# Altium PCB OneBox.PcbDoc (part 8 of 13)
Units mm, origin at the board's own origin, x right, y up, seen from the top; angles counter-clockwise.
Board outline 101 x 69 mm, 6 copper layers (L1_Sig, L2_Gnd, L3_Pow, L4_Sig, L5_Gnd, L6_Sig), stack 1.538 mm thick; 766 components, 563 nets, 3133 pads, 2914 vias.
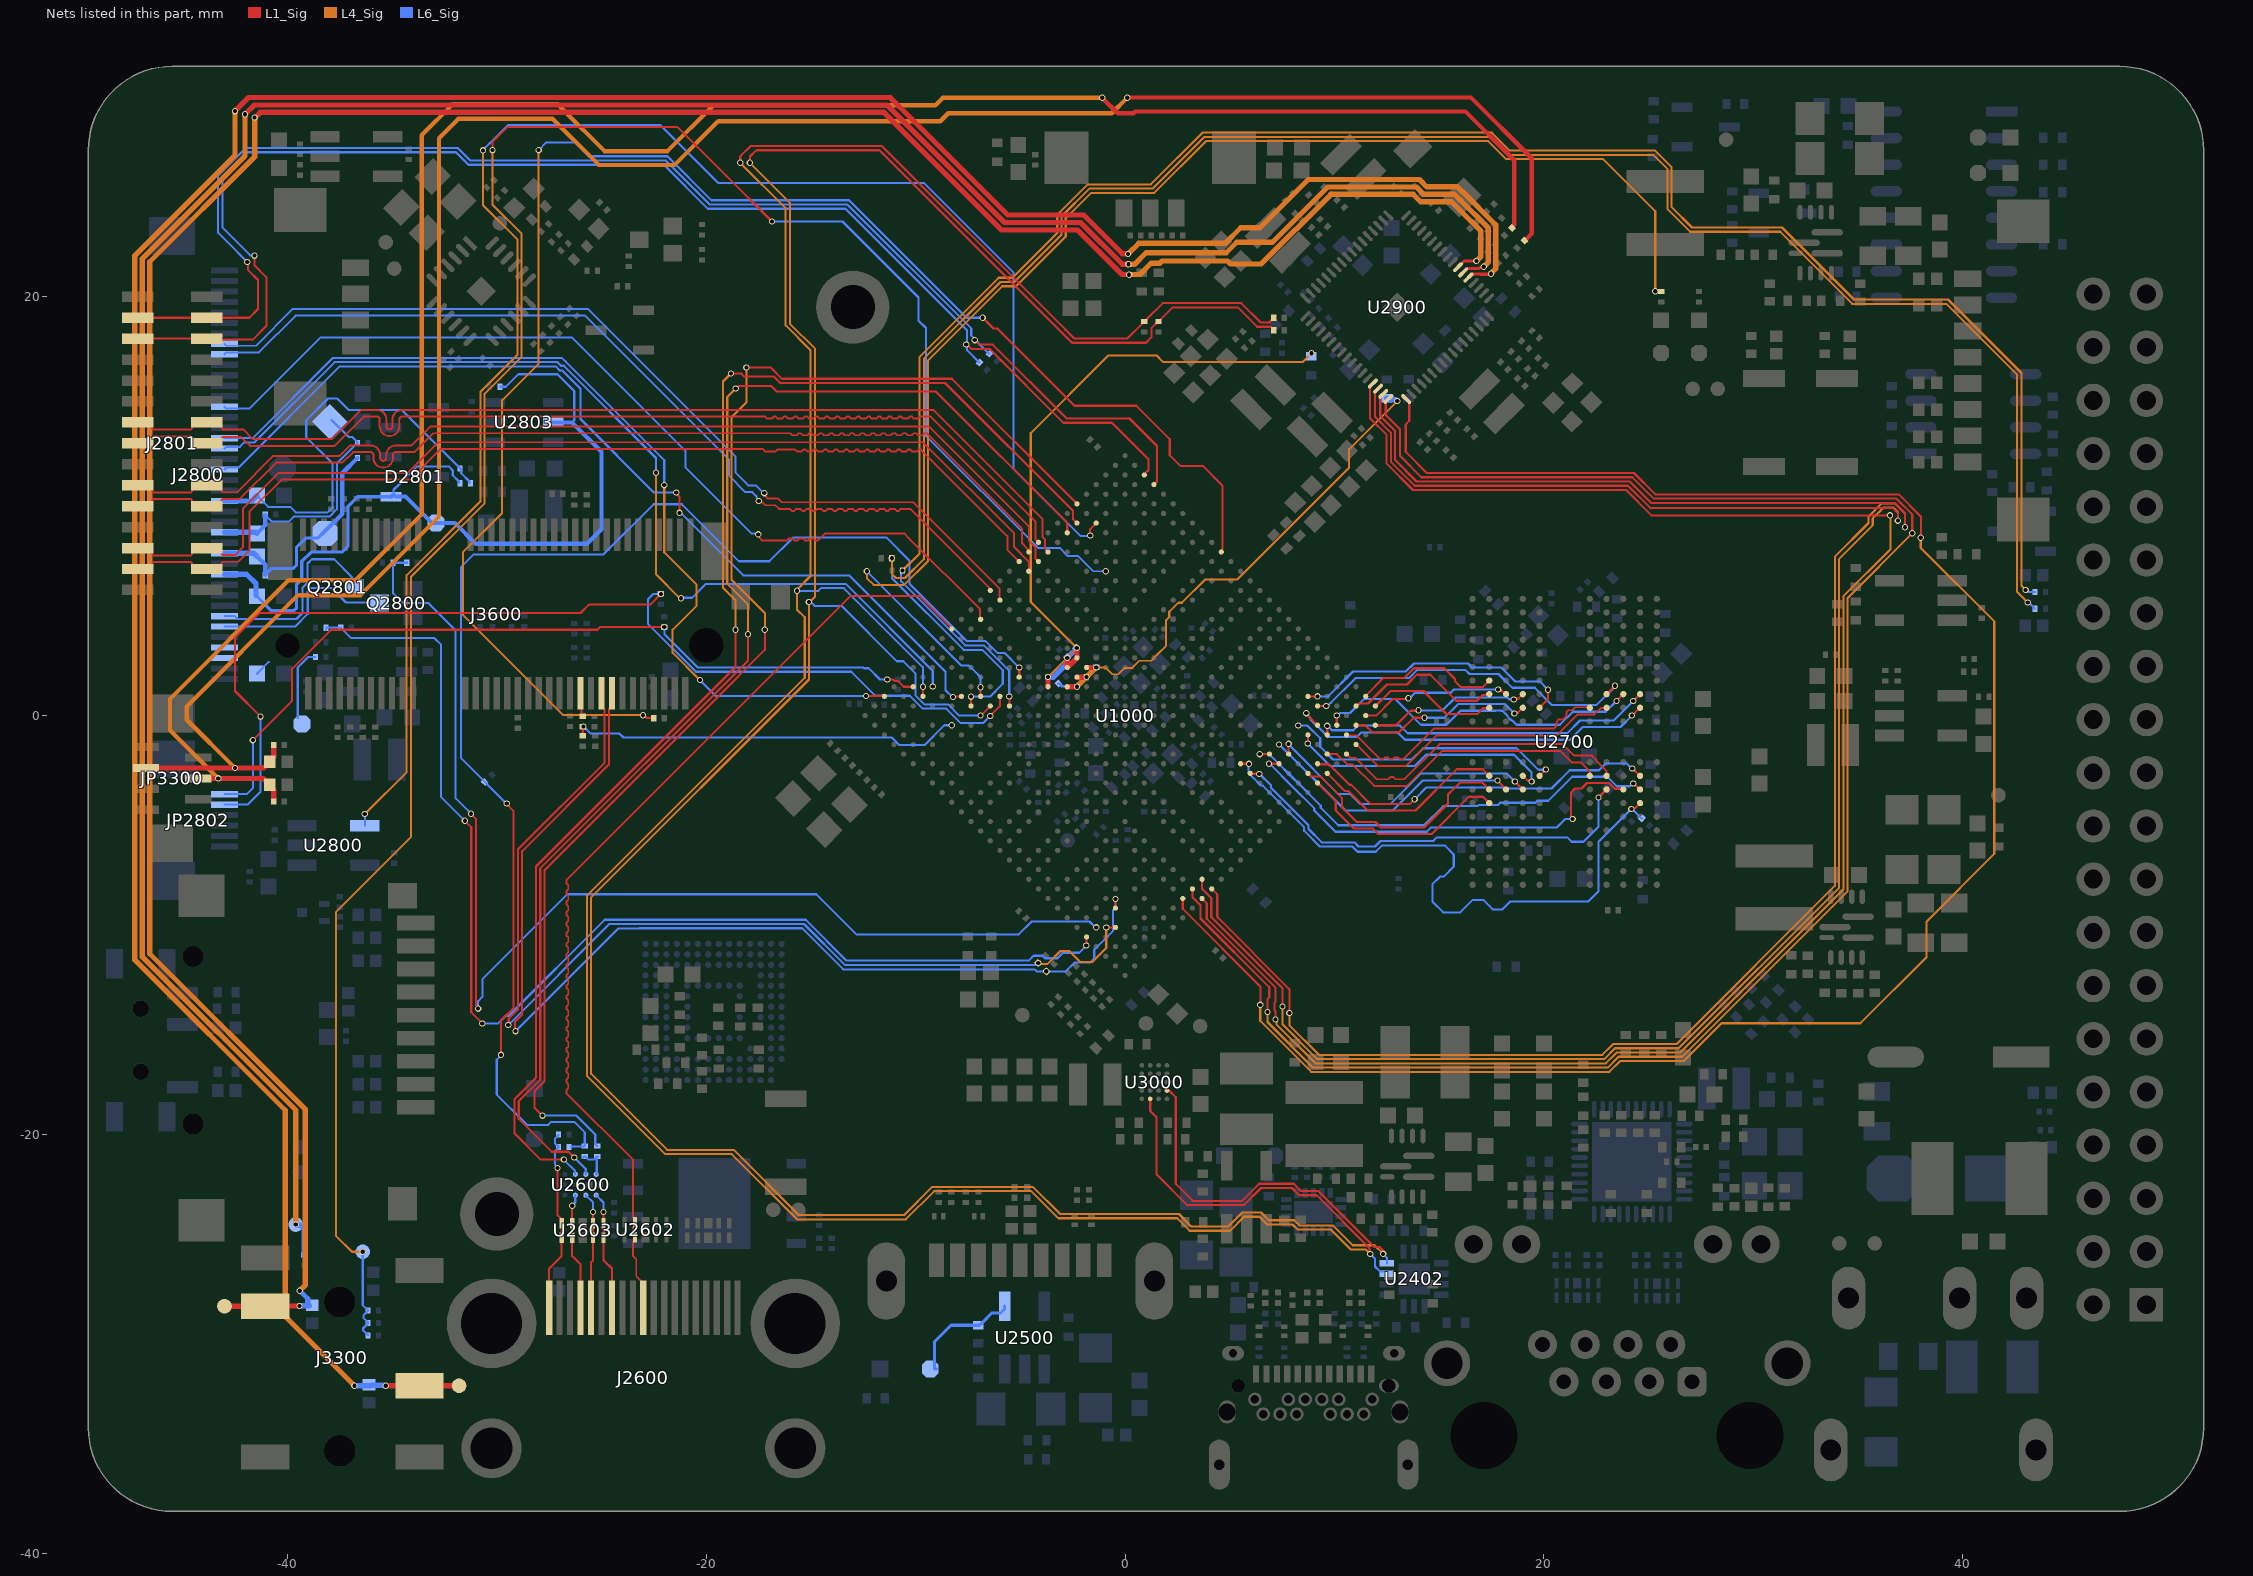
[diagram p12: the nets of this part, all layers, seen from the top]

## Via types
v1: diameter 0.3, hole 0.2, L1_Sig to L6_Sig, tented both sides, 2711 vias
v2: diameter 0.5, hole 0.3, L1_Sig to L6_Sig, tented both sides, 199 vias
v3: diameter 0.305, hole 0.203, L1_Sig to L6_Sig, tented both sides, 4 vias

## Nets (pads, with @x,y where several pads share a name; then routed paths per layer and width w, separated by ;. In a path a pad name is that pad's centre, name@x,y a point inside that pad or via, vN(x,y) a via of type N, cw(c..) or ccw(c..) an arc to the next point about the centre after c; other vN are vias at no path point) (continued)
HDMI_PORT_TXCLK_P: J2600.10 U1000.AH19 U2602.4 U2602.7 | length 48.3
  L1_Sig w0.091: -26.68,-18.02 -23.49,-21.21 -23.49,-23.96 -23.4,-24.05 U2602.4@-23.4,-24.2 -23.4,-24.35 -23.49,-24.44 -23.49,-24.66 -23.4,-24.75 U2602.7@-23.4,-24.9 -23.4,-25.05 -23.49,-25.14 -23.49,-25.811 -23.34,-25.961 -23.34,-26.767 -23.203,-26.904 -23.203,-26.912 -23,-27.115 J2600.10@-23,-28.265 ; -26.68,-18 -26.68,-17.894 -26.586,-17.8 -26.586,-17.594 -26.68,-17.5 -26.68,-17.394 -26.586,-17.3 -26.586,-17.094 -26.68,-17 -26.68,-16.894 -26.586,-16.8 -26.586,-16.594 -26.68,-16.5 -26.68,-16.394 -26.586,-16.3 -26.586,-16.094 -26.68,-16 -26.68,-15.894 -26.586,-15.8 -26.586,-15.594 -26.68,-15.5 -26.68,-15.394 -26.586,-15.3 -26.586,-15.094 -26.68,-15 -26.68,-14.894 -26.586,-14.8 -26.586,-14.594 -26.68,-14.5 -26.68,-14.394 -26.586,-14.3 -26.586,-14.094 -26.68,-14 -26.68,-13.894 -26.586,-13.8 -26.586,-13.594 -26.68,-13.5 -26.68,-13.394 -26.586,-13.3 -26.586,-13.094 -26.68,-13 -26.68,-12.894 -26.586,-12.8 -26.586,-12.594 -26.68,-12.5 -26.68,-12.394 -26.586,-12.3 -26.586,-12.094 -26.68,-12 -26.68,-11.894 -26.586,-11.8 -26.586,-11.594 -26.68,-11.5 -26.68,-11.394 -26.586,-11.3 -26.586,-11.094 -26.68,-11 -26.68,-10.894 -26.586,-10.8 -26.586,-10.594 -26.68,-10.5 -26.68,-10.394 -26.586,-10.3 -26.586,-10.094 -26.68,-10 -26.68,-9.894 -26.586,-9.8 -26.586,-9.594 -26.68,-9.5 -26.68,-9.394 -26.586,-9.3 -26.586,-9.094 -26.68,-9 -26.68,-8.894 -26.586,-8.8 -26.586,-8.594 -26.68,-8.5 -26.68,-8.394 -26.586,-8.3 -26.586,-8.094 -26.68,-8 -26.68,-7.854 -13.121,5.705 -9.799,5.705 -8.273,4.179 U1000.AH19@-8.273,4.137
HDMI_TX_CEC_PORT: J2600.13 U2600.D1 U2603.1 U2603.10 | length 5.7
  L1_Sig w0.102: v1(-24.908,-23.7) -24.904,-23.704 -24.904,-24.226 U2603.1@-24.9,-24.23 U2603.10@-24.9,-24.93 -24.9,-26 -24.5,-26.4 J2600.13@-24.5,-28.265
  L6_Sig w0.102: U2600.D1@-25.25,-22.9 -24.9,-23.25 -24.9,-23.692 v1(-24.908,-23.7)
HDMI_TX_HPD_PORT: J2600.19 R2602.2 R2603.2 U2603.5 U2603.6 | length 8.9
  L1_Sig w0.102: J2600.19@-27.5,-28.265 -27.5,-26.4 -26.9,-25.8 U2603.6@-26.9,-24.93 U2603.5@-26.9,-24.23 -26.949,-24.181 -26.949,-24.007 -27.1,-23.856 v1(-27.1,-21.6)
  L6_Sig w0.102: v1(-27.1,-21.6) -27.1,-21.564 -27.225,-21.439 -27.225,-20.8 R2602.2@-27.05,-20.625 ; R2602.2@-27.05,-20.6 -27.05,-20.575 -27.124,-20.501 -27.149,-20.501 -27.226,-20.424 -27.226,-20.201 -27.05,-20.025 R2603.2@-27.05,-20
HDMI_TX_HPDIN: C1800.2 R2600.1 R2602.1 U1000.AB18 | length 66.1
  L1_Sig w0.102: v1(-29.8,-16.2) -29.8,-14.561 -29.197,-13.958 -29.197,-4.564 -29.524,-4.237 v1(-29.524,-4.198) ; U1000.AB18@-5.056,1.838 -5.054,1.84 -5.054,2.292 v1(-5.053,2.293)
  L6_Sig w0.102: C1800.2@-30.503,-3.228 -31.7,-2.031 -31.7,7.1 -31.1,7.7 -24.9,7.7 -22.508,10.092 -21.16,10.092 -18.439,7.371 -16.981,7.371 -15.856,8.497 -11.384,8.497 -10.297,7.409 -10.297,6.308 -7.546,3.558 -6.658,3.558 -6.097,2.997 -5.757,2.997 v1(-5.053,2.293) ; C1800.2@-30.498,-3.232 -30.498,-3.239 -29.54,-4.198 v1(-29.524,-4.198) ; v1(-29.8,-16.2) -29.8,-16.231 -30,-16.431 -30,-18.1 -28.7,-19.4 -28.558,-19.542 -27.542,-19.542 -27.4,-19.4 -26.3,-19.4 -25.8,-19.9 R2600.1@-25.8,-20.55 -25.825,-20.575 -26.425,-20.575 R2602.1@-26.45,-20.6
HDMI_TXDDC_SCL_PORT: J2600.15 U2600.C1 U2603.2 U2603.9 | length 5.6
  L1_Sig w0.102: J2600.15@-25.5,-28.265 -25.5,-26.1 -25.4,-26 U2603.9@-25.4,-24.93 U2603.2@-25.4,-24.23 v1(-25.4,-23.7)
  L6_Sig w0.102: U2600.C1@-25.75,-22.9 -25.4,-23.25 v1(-25.4,-23.7)
HDMI_TXDDC_SDA_PORT: J2600.16 U2600.B1 U2603.4 U2603.7 | length 5.6
  L1_Sig w0.102: v1(-26.4,-23.4) U2603.4@-26.4,-24.23 U2603.7@-26.4,-24.93 -26.4,-25.8 -26,-26.2 J2600.16@-26,-28.265
  L6_Sig w0.102: v1(-26.4,-23.4) -26.25,-23.25 U2600.B1@-26.25,-22.9
HDMITX_CEC: R2600.2 R2601.2 U2600.D3 | length 1.8
  L6_Sig w0.102: R2600.2@-25.899,-21.124 -25.825,-21.05 R2600.2@-25.8,-21.05 -25.775,-21.05 -25.625,-21.2 -25.375,-21.2 -25.225,-21.05 R2601.2@-25.2,-21.05 ; U2600.D3@-25.25,-21.9 -25.225,-21.875 -25.225,-21.075 R2601.2@-25.2,-21.05 ; R2601.2@-25.175,-21.05 R2601.2@-25.2,-21.05
HDMITX_CEC_M0: R2601.1 U1000.AH6 | length 63.4
  L1_Sig w0.102: v1(-27.816,-19.1) -28.2,-18.716 -28.2,-17.942 -27.723,-17.464 -27.723,-7.376 -19.63,0.717 -19.625,0.717 ; -19.625,0.717 -17.2,3.142 v1(-17.2,4.1) ; v1(-18.083,16.621) -16.921,16.621 -16.386,16.086 -8.272,16.086 U1000.AH6@-2.298,10.112
  L4_Sig w0.102: v1(-18.083,16.621) -18.084,16.619 -18.084,14.95 -18.794,14.241 -18.794,6.494 -17.2,4.9 v1(-17.2,4.1)
  L6_Sig w0.102: v1(-27.816,-19.1) -27.812,-19.095 -26.205,-19.095 -25.299,-20.001 -25.299,-20.476 -25.225,-20.55 R2601.1@-25.2,-20.55
HDMITX_SCL: U1000.AG8 U2600.C3 | length 63.5
  L1_Sig w0.102: v1(-26.3,-21.1) -26.575,-20.825 -27.375,-20.825 -28.949,-19.251 -28.949,-18.403 -27.926,-17.38 -27.926,-7.42 -27.926,-7.292 -18,2.634 v1(-18,3.88) ; v1(-18.592,15.618) -18.56,15.618 -18.433,15.746 -16.908,15.746 -16.637,15.475 -9.031,15.475 -2.758,9.201 U1000.AG8@-2.758,8.733
  L4_Sig w0.102: v1(-18.592,15.618) -18.997,15.213 -18.997,6.289 -18,5.292 v1(-18,3.88)
  L6_Sig w0.102: v1(-26.3,-21.1) -25.75,-21.65 U2600.C3@-25.75,-21.9
HDMITX_SDA: U1000.AG7 U2600.B3 | length 64.6
  L1_Sig w0.102: v1(-26.795,-21.2) -27.9,-21.2 -29.152,-19.948 -29.152,-18.319 -28.129,-17.296 -28.129,-7.208 -18.6,2.321 v1(-18.6,4.1) ; v1(-18.818,16.335) -18.335,16.335 -18.2,16.2 -16.787,16.2 -16.469,15.881 -8.595,15.881 -2.48,9.767 -2.48,9.537 -2.48,9.375 U1000.AG7@-2.298,9.192
  L4_Sig w0.102: v1(-18.818,16.335) -19.2,15.954 -19.2,6.1 -18.6,5.5 v1(-18.6,4.1)
  L6_Sig w0.102: v1(-26.795,-21.2) -26.264,-21.732 -26.264,-21.886 U2600.B3@-26.25,-21.9
HOST_5V_EN: D2500.2 R2507.1 U2500.4 | length 5.6
  L6_Sig w0.152: D2500.2@-8.975,-31.2 -9.1,-31.2 -9.1,-29.9 -8.312,-29.112 -6.95,-29.112 -6.826,-28.988 -6.363,-28.525 -5.949,-28.525 -5.75,-28.326 U2500.4@-5.75,-28.2
HOST_WAKE_BT_H: J3600.54 R3617.2 | length 1.1
  L1_Sig w0.102: J3600.54@-26,1.075 -25.947,1.022 -25.947,0.024 R3617.2@-25.895,-0.028
HOST_WAKE_BT_H_3V3: R3617.1 R3618.1 U1000.AC24 | length 18.8
  L1_Sig w0.102: R3617.1@-25.895,-0.528 -25.885,-0.519 v1(-25.858,-0.519) ; R3618.1@-25.894,-0.957 R3617.1@-25.895,-0.528
  L6_Sig w0.102: v1(-25.858,-0.519) -25.519,-0.858 -24.137,-0.858 -23.952,-1.044 -11.133,-1.044 -10.777,-1.4 -9.57,-1.4 -8.63,-0.46 v1(-8.273,-0.46)
HOST_WAKE_BT_H_GPIO4_B5: R3610.2 U1000.V1 | length 78.1
  L1_Sig w0.102: v1(-23.02,0.02) -22.967,0.02 -22.834,-0.112 -22.517,-0.112 R3610.2@-22.504,-0.125 ; v1(-6.8,19) -6.474,18.674 -6.28,18.48 -6.096,18.48 -2.412,14.797 0.534,14.797 2.135,13.196 2.135,12.429 2.64,11.925 3.713,11.925 4.648,10.99 4.648,9.884 4.648,7.947 4.625,7.923 4.625,7.842 U1000.V1@4.596,7.814
  L4_Sig w0.102: v1(-28,27) -28,16.8 -29.742,15.058 -29.742,9.671 -31.619,7.794 -31.619,4.819 -26.82,0.02 v1(-23.02,0.02)
  L6_Sig w0.102: v1(-28,27) -27.631,27.369 -26.269,27.369 -25.606,26.706 -21.847,26.706 -19.751,24.61 -13.18,24.61 -7.57,19 v1(-6.8,19)
HP_DET_L_GPIO2_D2: C3302.2 R3305.1 R3306.1 TP3300.1 U1000.AC8 | length 104.6
  L1_Sig w0.102: v1(-30.2,27) -30.2,27.4 -29.5,28.1 -21.364,28.1 -19.065,25.8 v1(-16.855,23.591)
  L4_Sig w0.102: v1(-36.4,-25.6) -36.913,-25.6 -37.684,-24.829 -37.684,-9.384 -34.1,-5.8 -34.1,-3.2 -34.1,6.619 -30.581,10.137 -30.581,15.368 -28.813,17.137 -28.813,23.013 -30.2,24.4 v1(-30.2,27)
  L6_Sig w0.091: -9.506,14.754 -9.506,13.361 -4.15,8.005 -3.124,8.005 -2.734,7.614 -2.234,7.614 -1.514,6.894 v1(-0.919,6.894)
  L6_Sig w0.102: v1(-36.4,-25.6) -36.4,-28.15 -36.249,-28.301 -36.224,-28.301 -36.15,-28.375 -36.15,-28.425 -36.371,-28.645 -36.371,-28.755 -36.15,-28.975 C3302.2@-36.15,-29 -36.15,-29.025 -36.39,-29.265 -36.39,-29.349 -36.238,-29.501 -36.224,-29.501 -36.15,-29.575 R3305.1@-36.15,-29.6 ; v1(-16.855,23.591) -13.491,23.591 -9.862,19.962 -9.862,19.262 -9.866,19.258 -9.866,18.866 -9.506,18.506 -9.506,14.754
HP_SNS: R3307.1 TP3303.1 U2900.40 | length 127.9
  L1_Sig w0.152: U2900.40@16.147,21.162 16.154,21.162 16.346,21.354 16.922,21.354 16.969,21.4 17.101,21.4 v1(17.129,21.429)
  L1_Sig w0.254: v1(-42.021,28.713) -41.574,29.16 -41.43,29.16 -11.369,29.16 -5.754,23.544 -2.121,23.544 -0.134,21.557 0.149,21.557 v1(0.158,21.548)
  L4_Sig w0.254: v1(-42.021,28.713) -42.021,26.721 -46.924,21.817 -46.924,-11.516 -39.6,-18.84 v1(-39.6,-24.3) ; v1@0.17,21.548 0.448,21.548 1,22.1 4.834,22.1 5.334,22.6 7.033,22.6 9.677,25.244 13.907,25.244 14.258,24.893 15.725,24.893 16.018,24.6 16.027,24.6 17.344,23.283 17.344,21.656 17.129,21.441 v1(17.129,21.429)
  L6_Sig w0.254: v1(-39.6,-24.3) -39.561,-24.339 -39.361,-24.339 -39.2,-24.5 R3307.1@-39.2,-25.75
HPL_OUT: ED3301.1 J3300.3 TP3302.1 U2900.39 | length 141.7
  L1_Sig w0.152: U2900.39@16.394,20.914 16.402,20.914 16.57,21.083 16.974,21.083 16.984,21.073 17.444,21.073 v1(17.472,21.101)
  L1_Sig w0.254: v1(-42.5,28.863) -41.848,29.515 -41.649,29.515 -11.215,29.515 -10.2,28.5 -5.6,23.9 -1.974,23.9 -0.127,22.053 0.129,22.053 v1(0.138,22.044) ; v1(-35.3,-32) J3300.3@-33.69,-32 TP3302.1@-31.8,-32
  L4_Sig w0.254: v1(-42.5,28.863) -42.5,26.744 -47.279,21.965 -47.279,-11.664 -40.1,-18.843 -40.1,-28.7 v1(-36.8,-32) ; v1(0.138,22.044) 0.15,22.044 0.654,22.549 4.78,22.549 5.526,23.295 6.445,23.295 8.748,25.599 8.786,25.599 8.787,25.6 14.054,25.6 14.405,25.249 15.872,25.249 16.121,25 16.13,25 17.7,23.43 17.7,21.341 17.472,21.113 v1(17.472,21.101)
  L6_Sig w0.254: v1(-36.8,-32) -36.025,-32 -36,-31.975 -35.425,-31.975 -35.4,-32 v1(-35.3,-32)
HPR_OUT: ED3302.1 J3300.4 TP3301.1 U2900.41 | length 133.6
  L1_Sig w0.102: J3300.4@-41.606,-28.2 J3300.4@-41.056,-28.2
  L1_Sig w0.152: U2900.41@15.907,21.409 16.207,21.71 v1(16.775,21.71)
  L1_Sig w0.254: TP3301.1@-43,-28.2 J3300.4@-41.056,-28.2 -41.044,-28.188 v1(-39.414,-28.188) ; v1(-41.561,28.561) -41.549,28.561 -41.526,28.584 -41.506,28.584 -41.286,28.804 -11.516,28.804 -5.901,23.189 -2.268,23.189 -0.143,21.063 0.186,21.063 v1(0.195,21.055)
  L4_Sig w0.254: v1(-41.561,28.561) -41.561,26.677 -46.568,21.67 -46.568,-11.369 -39.138,-18.8 -39.138,-27.179 -39.408,-27.449 v1(-39.408,-27.461) ; v1(0.195,21.055) 0.204,21.063 0.708,21.063 1.244,21.6 1.659,21.6 1.764,21.705 4.895,21.705 5.037,21.563 6.499,21.563 9.825,24.889 13.76,24.889 14.111,24.538 15.577,24.538 15.963,24.152 15.972,24.152 16.989,23.136 16.989,21.924 v1(16.775,21.71)
  L6_Sig w0.254: v1(-39.414,-28.188) -39.408,-28.182 -38.957,-28.182 -38.95,-28.175 -39.023,-28.102 -39.023,-27.846 v1(-39.408,-27.461)
I2C0_SCL_PMIC: R1203.1 R2906.2 U1000.AF24 U2402.6 U3000.A3 | length 150.1
  L1_Sig w0.102: v1(-18.372,26.394) -18.372,26.701 -17.873,27.2 -11.615,27.2 -3.337,18.922 -2.421,18.006 0.108,18.006 0.82,18.718 0.82,18.743 0.894,18.818 0.944,18.818 1.018,18.892 1.018,18.917 1.796,19.694 2.097,19.694 2.1,19.697 5.551,19.697 6.476,18.772 6.872,18.772 7.001,18.901 7.026,18.901 7.151,19.026 R2906.2@7.151,19.051 ; U1000.AF24@-9.652,0.919 v1(-9.652,1.379) ; U3000.A3@1.2,-18.3 1.2,-18.883 1.508,-19.191 1.508,-21.908 2.975,-23.375 5.673,-23.375 6.492,-22.556 7.968,-22.556 8.316,-22.903 9.149,-22.903 11.671,-25.426 11.671,-25.546 11.672,-25.547 11.672,-25.667 v1(11.71,-25.705)
  L4_Sig w0.102: v1(-18.372,26.394) -18.372,26.384 -16.206,24.219 -16.206,18.632 -15.018,17.443 -15.018,6.666 -15.612,6.071 -15.612,6.062 -15.662,6.012 -15.662,5.062 -15.294,4.694 -15.294,1.806 -25.697,-8.597 -25.697,-17.191 -21.951,-20.937 -18.776,-20.937 -15.661,-24.052 -10.464,-24.052 -9.116,-22.703 -4.484,-22.703 -3.184,-24.003 2.491,-24.003 3.084,-24.597 5.016,-24.597 5.682,-23.93 6.418,-23.93 6.784,-24.297 7.997,-24.297 8.245,-24.545 9.832,-24.545 10.783,-25.496 11.501,-25.496 v1(11.71,-25.705)
  L6_Sig w0.102: v1(-15.662,5.958) -14.652,5.958 -14.522,6.088 -13.425,6.088 -9.652,2.315 v1(-9.652,1.379) ; v1(11.71,-25.705) 11.935,-25.929 11.935,-26.304 12.182,-26.551 12.401,-26.551 U2402.6@12.5,-26.65
I2C0_SDA_PMIC: R1204.1 R2905.2 U1000.AB21 U2402.7 U3000.B1 | length 151.9
  L1_Sig w0.102: v1(-17.914,26.394) -17.906,26.402 -17.906,26.694 -17.603,26.997 -11.725,26.997 -2.532,17.803 1.003,17.803 1.258,18.058 1.258,18.5 1.576,18.818 R1204.1@1.601,18.818 ; v1(-6.9,0) -6.894,0 U1000.AB21@-6.439,0.455 ; R1204.1@1.656,18.849 1.658,18.849 1.7,18.892 1.7,18.919 2.275,19.494 5.381,19.494 6.31,18.565 6.961,18.565 7.1,18.425 R2905.2@7.1,18.4 ; U3000.B1@2,-17.9 2.1,-17.9 2.418,-18.218 2.418,-22.358 3.231,-23.171 5.589,-23.171 6.408,-22.352 8.052,-22.352 8.2,-22.5 8.4,-22.7 9.233,-22.7 11.902,-25.37 12.154,-25.37 12.284,-25.5 12.284,-25.663 v1(12.322,-25.701)
  L4_Sig w0.102: v1(-17.914,26.394) -16.003,24.483 -16.003,18.716 -14.797,17.509 -14.797,6.599 -14.8,6.596 -14.8,5.684 v1@-15.088,5.396 ; v1(-15.097,5.423) -15.09,5.417 -15.09,1.722 -25.494,-8.681 -25.494,-17.106 -21.866,-20.734 -18.692,-20.734 -15.577,-23.849 -10.549,-23.849 -9.2,-22.5 -4.4,-22.5 -3.1,-23.8 2.575,-23.8 3.168,-24.394 4.932,-24.394 5.598,-23.727 6.502,-23.727 6.868,-24.094 8.081,-24.094 8.329,-24.342 9.916,-24.342 10.867,-25.292 11.914,-25.292 v1(12.322,-25.701)
  L6_Sig w0.102: v1(-15.097,5.423) -15.059,5.385 -14.962,5.385 -14.813,5.237 -13.546,5.237 -13.542,5.233 -13.533,5.233 -10.893,2.593 -10.593,2.593 -10,2 -10,0.955 -9.581,0.535 -8.448,0.535 -7.913,0 v1(-6.9,0) ; v1(12.322,-25.701) 12.5,-25.879 U2402.7@12.5,-26.15
I2C1_SCL_TP: JP2802.6 R1205.1 U1000.AG24 | length 39.8
  L1_Sig w0.102: v1(-41.644,-1.172) -39.77,0.703 -39.77,2.238 -37.908,4.1 -25.197,4.1 -25.064,4.233 v1(-22,4.233) ; v1(-11.352,1.721) -11.072,1.721 -11.008,1.656 -10.849,1.656 -10.571,1.379 U1000.AG24@-10.112,1.379
  L6_Sig w0.102: JP2802.6@-43.003,-3.75 -41.932,-3.75 -41.644,-3.462 v1(-41.644,-1.172) ; v1(-22,4.233) -22.001,4.232 R1205.1@-22.001,4.221 -21.988,4.208 -21.988,3.884 -20.404,2.3 -12.506,2.3 -12.47,2.264 -12.244,2.264 -11.701,1.721 v1(-11.352,1.721)
I2C1_SDA_TP: JP2802.5 R1206.1 U1000.AB20 | length 52.5
  L1_Sig w0.102: v1(-41.277,-0.049) -42.5,1.174 -42.5,3.74 -41.34,4.9 -26,4.9 -25.6,5.3 -22.67,5.3 v1(-22.165,5.805) ; v1(-6.435,-0.015) -5.975,0.445 U1000.AB20@-5.975,0.919
  L6_Sig w0.102: JP2802.5@-43.003,-4.25 -41.903,-4.25 -41.277,-3.624 v1(-41.277,-0.049) ; v1(-22.165,5.805) -22.521,5.805 -22.785,5.541 -22.785,4.394 -20.488,2.097 -13.069,2.097 -11.92,0.947 -10.28,0.947 -9.665,0.332 -8.532,0.332 -7.839,-0.361 -6.781,-0.361 v1(-6.435,-0.015)
I2C2_SCL: R1207.1 R3503.1 U1000.AC22 | length 97.8
  L1_Sig w0.102: R1207.1@-11.14,7.59 -11.14,7.521 v1(-11.134,7.516) ; v1(-7.356,0.907) v1(-7.356,0.907) -7.355,0.461 U1000.AC22@-7.354,0.46
  L4_Sig w0.102: v1(-11.134,7.516) -11.134,6.767 -10.937,6.57 -10.504,6.57 -9.606,7.468 -9.606,17.044 -5.947,20.703 -5.289,20.703 -3.033,22.96 -3.033,23.83 -1.702,25.162 1.31,25.162 3.779,27.631 17.431,27.631 18.287,26.775 25.225,26.775 25.894,26.106 25.894,24.194 26.984,23.103 31.284,23.103 34.725,19.662 39.212,19.662 42.597,16.278 42.597,5.903 v1(43.1,5.4)
  L6_Sig w0.102: v1(-11.134,7.516) -11.134,6.571 -7.704,3.14 -6.815,3.14 -5.842,2.167 -5.842,1.513 -6.448,0.907 v1(-7.356,0.907) ; v1(43.1,5.4) 43.15,5.4 43.425,5.125 R3503.1@43.425,5.1
I2C2_SDA: R1208.1 R3500.1 U1000.AA20 | length 94.1
  L1_Sig w0.102: v1(-5.528,0.908) -5.522,0.902 -5.522,0.466 U1000.AA20@-5.515,0.46
  L4_Sig w0.102: v1(-10.627,6.926) -9.81,7.743 -9.81,17.128 -6.031,20.906 -5.374,20.906 -3.236,23.044 -3.236,23.915 -1.786,25.365 1.226,25.365 3.695,27.834 17.515,27.834 18.371,26.978 25.309,26.978 26.097,26.191 26.097,24.278 27.068,23.306 31.368,23.306 34.809,19.866 39.297,19.866 42.8,16.362 42.8,6.2 v1(43,6)
  L6_Sig w0.102: v1(-10.627,6.926) -10.665,6.888 -10.665,6.814 -10.693,6.786 -10.693,6.417 -7.631,3.355 -6.742,3.355 -5.528,2.14 v1(-5.528,0.908) ; v1(43,6) 43.055,6 43.155,5.9 R3500.1@43.45,5.9
I2C4_SCL_M1: J3600.60 R1403.2 U1000.E25 | length 52.5
  L1_Sig w0.102: v1(-29.105,-15.066) -29.123,-15.048 -29.123,-14.603 -28.791,-14.27 -28.791,-6.478 -24.647,-2.334 -24.647,0.303 -24.5,0.45 J3600.60@-24.5,1.075 ; U1000.E25@-0.46,-9.192 -0.456,-9.189 -0.456,-8.762 v1(-0.453,-8.759)
  L6_Sig w0.102: v1(-29.105,-15.066) -24.202,-10.162 -23.183,-10.162 -23.176,-10.155 -15.417,-10.155 -13.453,-12.119 -4.314,-12.119 -4.222,-12.211 v1(-3.763,-12.211) -2.831,-12.211 -2.417,-11.797 -1.684,-11.797 -1.472,-11.585 -1.472,-11.172 -0.569,-10.269 -0.569,-9.273 -0.453,-9.157 v1(-0.453,-8.759)
I2C4_SDA_M1: J3600.58 R1402.2 U1000.D26 | length 51.4
  L1_Sig w0.102: v1(-29.454,-14.777) -29.426,-14.75 -29.426,-14.475 -28.994,-14.043 -28.994,-6.394 -24.85,-2.25 -24.85,0.3 -25,0.45 J3600.58@-25,1.075 ; v1(-0.899,-10.121) -0.894,-10.117 -0.464,-10.117 U1000.D26@-0.46,-10.112
  L4_Sig w0.102: v1(-4.149,-11.817) -4.111,-11.855 -3.695,-11.855 -3.081,-11.241 -2.659,-11.241 -2.137,-11.763 -1.563,-11.763 -0.899,-11.099 v1(-0.899,-10.121)
  L6_Sig w0.102: v1(-29.454,-14.777) -24.628,-9.952 -15.333,-9.952 -13.369,-11.916 -4.302,-11.916 -4.207,-11.821 v1@-4.153,-11.821
I2C5_SCL_M0: J2801.13 R1501.2 U1000.AF1 | length 67.7
  L1_Sig w0.102: J2801.13@-47.15,18 J2801.13@-43.85,18 -43.803,17.953 -41.647,17.953 -41,18.6 -41,20.931 -41.564,21.495 v1(-41.564,21.962) ; v1(-7.579,17.715) -7.537,17.715 -7.332,17.51 -6.469,17.51 -2.944,13.984 -0.627,13.984 1.119,12.238 1.119,11.731 0.919,11.531 U1000.AF1@0.919,11.491
  L6_Sig w0.102: v1(-41.564,21.962) -41.583,21.982 -41.769,21.982 -43.103,23.316 -43.103,25.684 -42.9,25.887 -42.9,25.89 -41.893,26.897 -31.948,26.897 -31.35,26.299 -22.015,26.299 -19.919,24.203 -13.348,24.203 -7.549,18.404 -7.549,17.744 v1(-7.579,17.715) -7.541,17.677 -7.541,17.441 R1501.2@-6.954,16.854
I2C5_SDA_M0: J2801.14 R1502.2 U1000.AE1 | length 67.4
  L1_Sig w0.102: J2801.14@-47.15,19 J2801.14@-43.85,19 -41.811,19 -41.4,19.411 -41.4,20.8 -41.872,21.272 -41.872,21.618 v1(-41.91,21.656) ; v1(-7.173,17.929) -6.958,17.713 -6.313,17.713 -2.787,14.187 0.21,14.187 1.526,12.872 1.526,11.178 U1000.AE1@1.379,11.031
  L6_Sig w0.102: v1(-41.91,21.656) -42.9,22.647 -43.306,23.053 -43.306,25.771 -41.978,27.1 -31.864,27.1 -31.266,26.503 -21.931,26.503 -19.835,24.406 -13.264,24.406 -7.346,18.488 -7.346,18.155 -7.173,17.983 v1(-7.173,17.929) ; v1@-7.155,17.94 -7.155,17.933 -6.499,17.277 R1502.2@-6.477,17.277
I2S1_LRCK_TX_M0_RK809: U1000.A20 U2900.14 | length 86.9
  L1_Sig w0.102: U1000.A20@3.677,-8.733 3.677,-8.74 3.9,-8.963 3.9,-9.7 7.19,-12.99 7.19,-13.65 7.129,-13.712 7.129,-14.056 7.185,-14.111 v1(7.185,-14.509) ; U2900.14@11.833,15.858 11.691,15.716 11.691,15.564 11.69,15.563 11.69,14.21 12.491,13.409 12.491,12.034 13.751,10.774 23.931,10.774 25.157,9.549 36.514,9.549 v1(36.525,9.56)
  L4_Sig w0.102: v1(7.185,-14.509) 7.223,-14.547 7.223,-14.735 9.094,-16.606 22.957,-16.606 23.479,-16.084 26.513,-16.084 34.297,-8.3 34.297,5.7 36.554,7.957 36.554,9.532 v1(36.525,9.56)
I2S1_MCLK_M0_RK809: U1000.A19 U2900.16 | length 88.8
  L1_Sig w0.102: U1000.A19@4.137,-8.273 4.4,-8.537 4.4,-9.6 4.444,-9.644 4.444,-9.657 7.846,-13.059 v1(7.846,-14.202) ; U2900.16@12.328,15.363 12.186,15.221 12.186,15.069 12.185,15.068 12.185,14.303 12.898,13.59 12.898,12.202 13.919,11.181 24.1,11.181 25.129,10.152 36.74,10.152 37.24,9.652 v1(37.24,8.992)
  L4_Sig w0.102: v1(7.846,-14.202) 7.846,-14.784 9.262,-16.2 22.788,-16.2 23.311,-15.678 26.345,-15.678 33.89,-8.132 33.89,7.59 35.5,9.2 35.5,9.501 36.132,10.133 36.774,10.133 37.24,9.667 v1(37.24,8.992)
I2S1_SCLK_TX_M0_RK809: U1000.B19 U2900.15 | length 88.8
  L1_Sig w0.102: U1000.B19@3.677,-7.814 3.677,-8.273 4.115,-8.712 4.115,-9.615 7.516,-13.016 v1(7.516,-13.893) ; U2900.15@12.081,15.611 11.939,15.469 11.939,15.317 11.937,15.315 11.937,14.263 12.695,13.505 12.695,12.118 13.835,10.978 24.016,10.978 25.076,9.917 36.654,9.917 36.909,9.662 36.909,9.317 v1(36.901,9.309)
  L4_Sig w0.102: v1(7.516,-13.893) 7.516,-14.741 9.178,-16.403 22.873,-16.403 23.395,-15.881 26.429,-15.881 34.094,-8.216 34.094,7.487 35.703,9.096 35.703,9.417 36.216,9.929 36.69,9.929 36.909,9.71 36.909,9.317 v1(36.901,9.309)